# KiCad board Ethernet_switch_4out.kicad_pcb (continued)
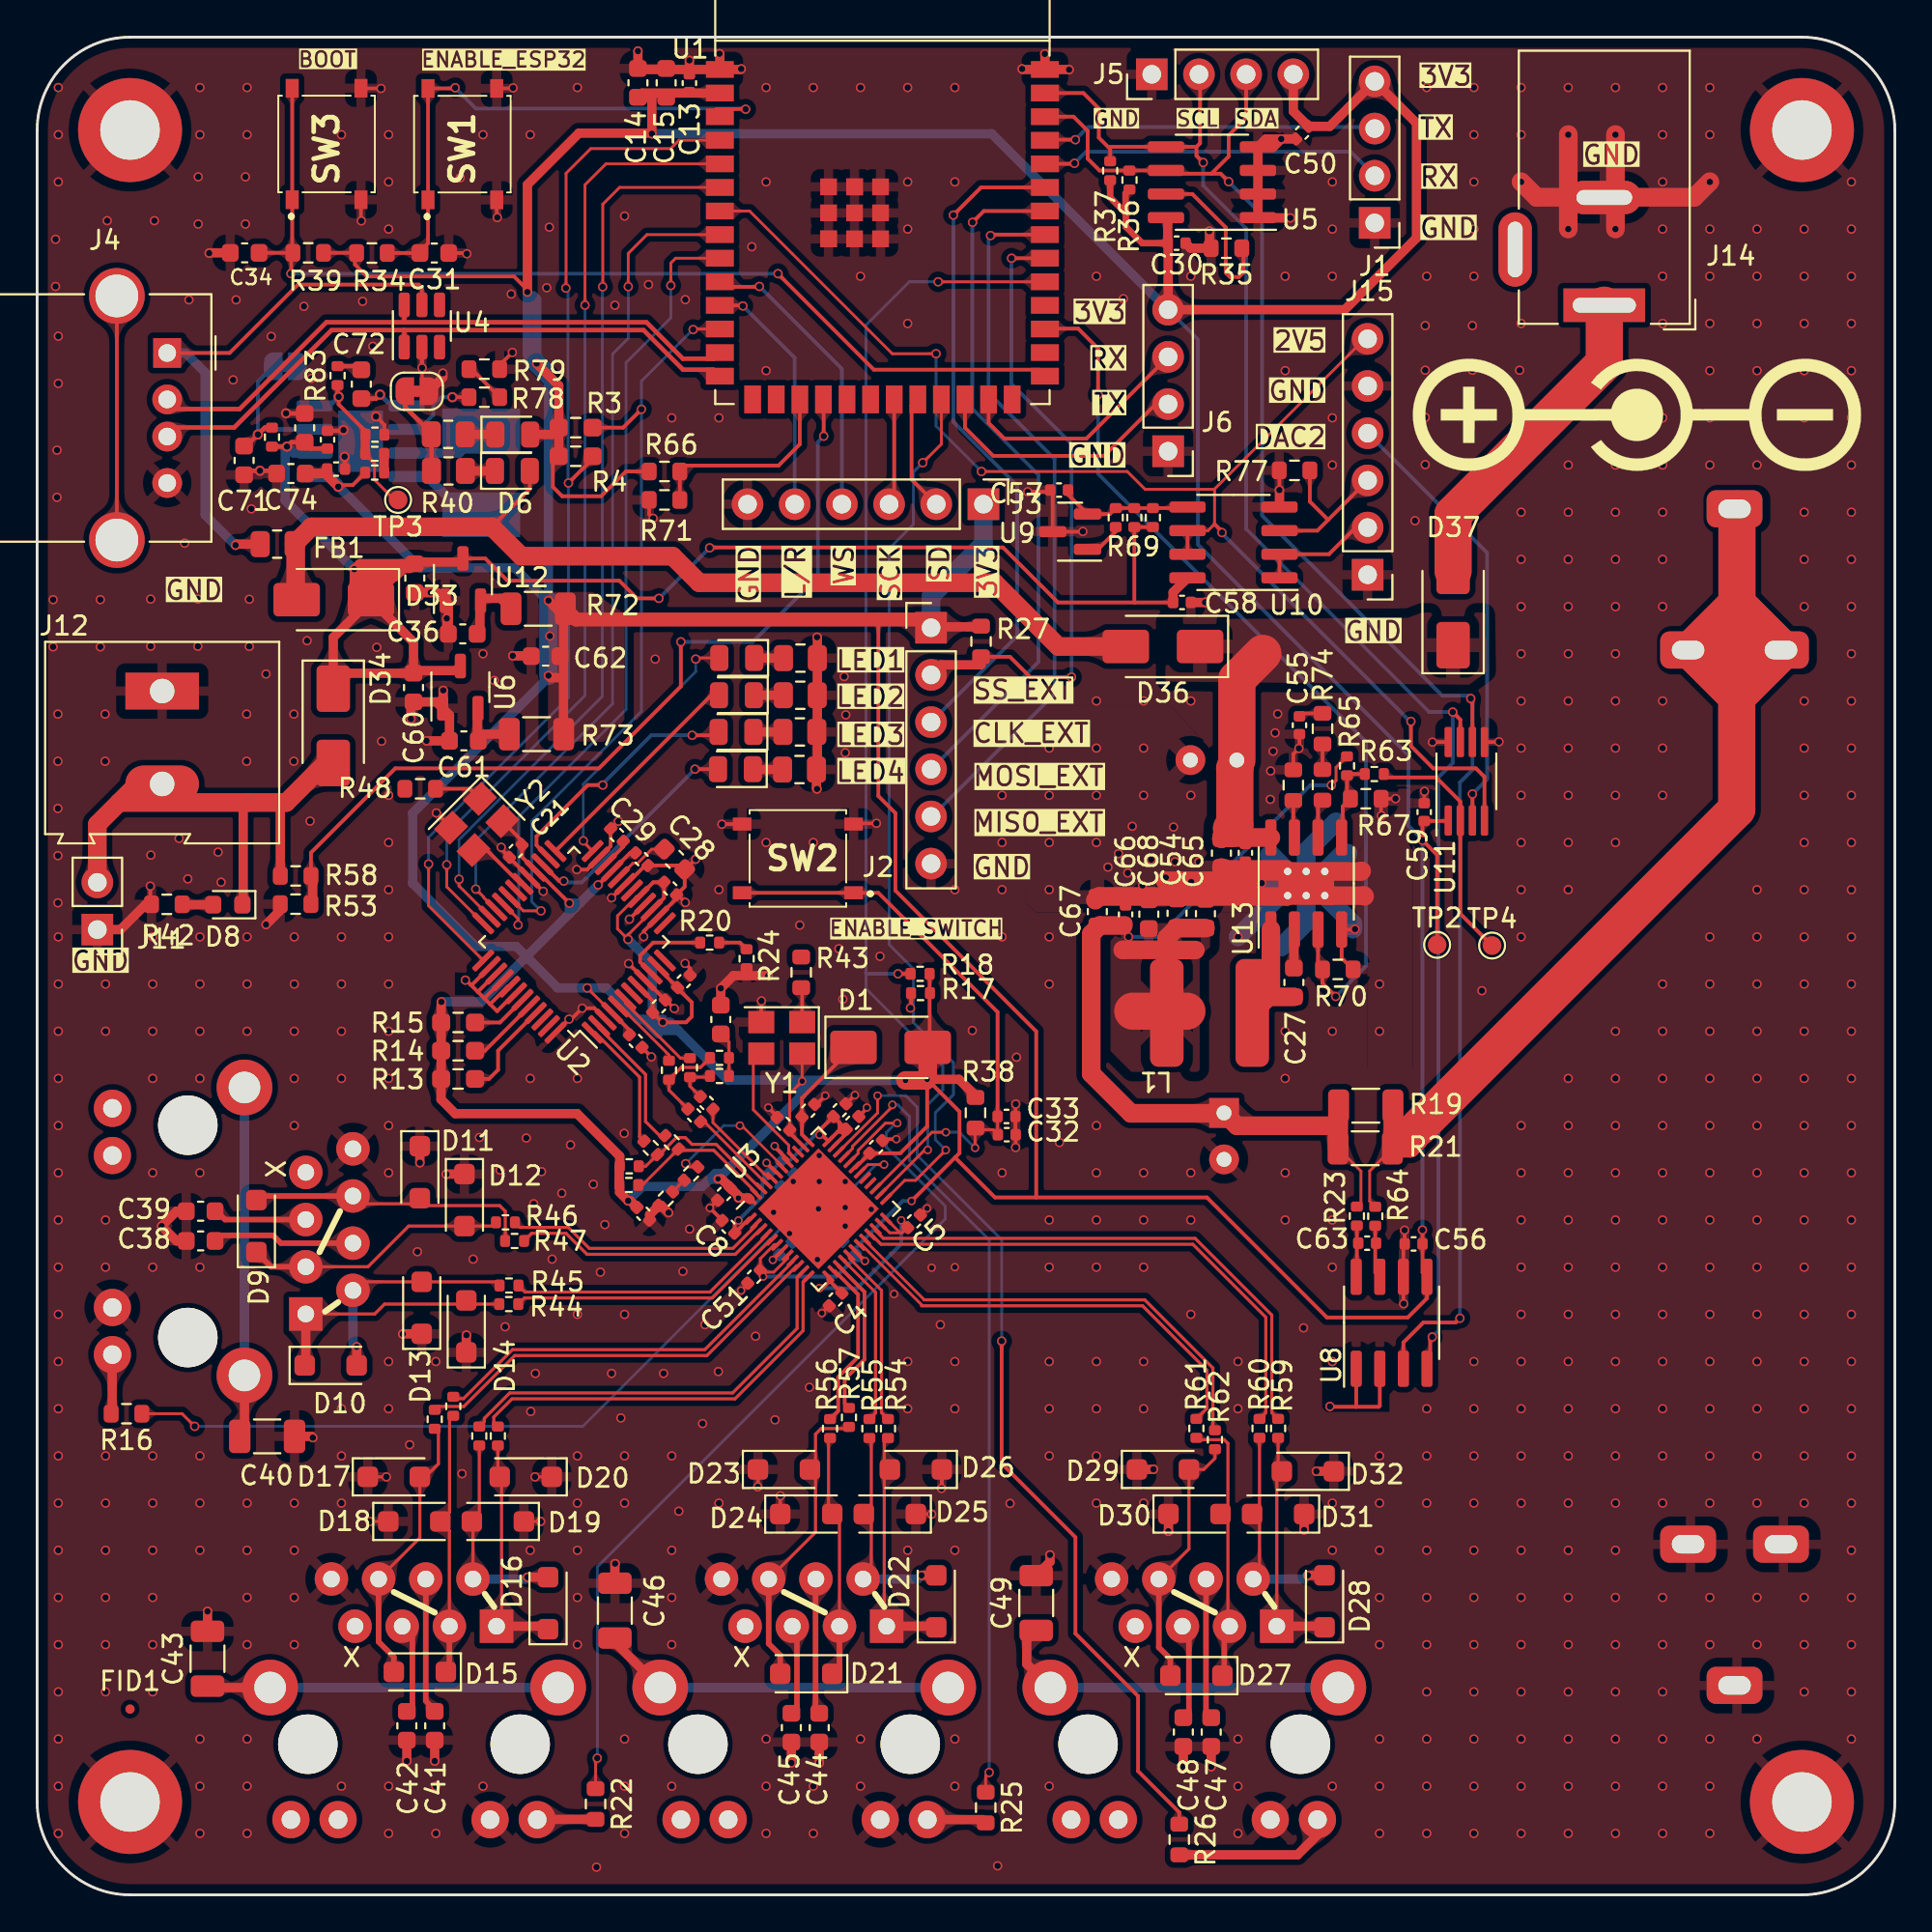
[diagram p0: board, top side]
## Footprints (pads in the part's own frame, mm; a bottom-side part is the same pattern mirrored in y, then rotated)
BarrelJack_Wuerth_6941xx301002
  rect 4.4x1.8 hole 3.4x0.8: 1(0,0)
  oval 4x1.8 hole 3x0.8: 2(0,-5.8)
  oval 1.8x4 hole 0.8x3: 3(4.8,-3)
C_0402_1005Metric
  rrect 0.56x0.62 smd: 1(-0.48,0) 2(0.48,0)
C_0603_1608Metric
  rrect 0.9x0.95 smd: 1(-0.775,0) 2(0.775,0)
C_1206_3216Metric
  rrect 1.15x1.8 smd: 1(-1.475,0) 2(1.475,0)
CP_Radial_D6.3mm_P2.50mm
  rect 1.6x1.6 hole 0.8: 1(0,0)
  round 1.6 hole 0.8: 2(2.5,0)
Crystal_SMD_3225-4Pin_3.2x2.5mm
  rect 1.4x1.2 smd: 1(-1.1,-0.85) 2(1.1,-0.85) 3(1.1,0.85) 4(-1.1,0.85)
D_SMA
  rrect 2.5x1.8 smd: 1(-2,0) 2(2,0)
D_SOD-123F
  rrect 1.1x1.1 smd: 1(-1.4,0) 2(1.4,0)
ESP32-S3-WROOM-1
  rect 1.5x0.9 smd: 1(-8.75,8.26) 2(-8.75,6.99) 3(-8.75,5.72) 4(-8.75,4.45) 5(-8.75,3.18) 6(-8.75,1.91) 7(-8.75,0.64) 8(-8.75,-0.63) 9(-8.75,-1.9) 10(-8.75,-3.17) 11(-8.75,-4.44) 12(-8.75,-5.71) 13(-8.75,-6.98) 14(-8.75,-8.25) 27(8.75,-8.25) 28(8.75,-6.98) 29(8.75,-5.71) 30(8.75,-4.44) 31(8.75,-3.17) 32(8.75,-1.9) 33(8.75,-0.63) 34(8.75,0.64) 35(8.75,1.91) 36(8.75,3.18) 37(8.75,4.45) 38(8.75,5.72) 39(8.75,6.99) 40(8.75,8.26)
  rect 0.9x1.5 smd: 15(-6.985,-9.5) 16(-5.715,-9.5) 17(-4.445,-9.5) 18(-3.175,-9.5) 19(-1.905,-9.5) 20(-0.635,-9.5) 21(0.635,-9.5) 22(1.905,-9.5) 23(3.175,-9.5) 24(4.445,-9.5) 25(5.715,-9.5) 26(6.985,-9.5)
  rect 0.9x0.9 smd: 41(-2.9,1.94) 41(-2.9,0.54) 41(-2.9,-0.86) 41(-2.9,-0.86) 41(-1.5,1.94) 41(-1.5,1.94) 41(-1.5,0.54) 41(-1.5,-0.86) 41(-0.1,1.94) 41(-0.1,0.54) 41(-0.1,-0.86)
Fiducial_0.5mm_Mask1mm
  round 0.5 smd: (0,0)
L_Taiyo-Yuden_NR-50xx_HandSoldering
  rect 2.4x4.2 smd: 1(-2.25,0) 2(2.25,0)
LED_0603_1608Metric
  rrect 0.875x0.95 smd: 1(-0.787,0) 2(0.787,0)
LED_0805_2012Metric
  rrect 0.975x1.4 smd: 1(-0.938,0) 2(0.938,0)
LQFP-48_7x7mm_P0.5mm
  rrect 1.475x0.3 smd: 1(-4.162,2.75) 2(-4.162,2.25) 3(-4.162,1.75) 4(-4.162,1.25) 5(-4.162,0.75) 6(-4.162,0.25) 7(-4.162,-0.25) 8(-4.162,-0.75) 9(-4.162,-1.25) 10(-4.162,-1.75) 11(-4.162,-2.25) 12(-4.162,-2.75) 25(4.162,-2.75) 26(4.162,-2.25) 27(4.162,-1.75) 28(4.162,-1.25) 29(4.162,-0.75) 30(4.162,-0.25) 31(4.162,0.25) 32(4.162,0.75) 33(4.162,1.25) 34(4.162,1.75) 35(4.162,2.25) 36(4.162,2.75)
  rrect 0.3x1.475 smd: 13(-2.75,-4.162) 14(-2.25,-4.162) 15(-1.75,-4.162) 16(-1.25,-4.162) 17(-0.75,-4.162) 18(-0.25,-4.162) 19(0.25,-4.162) 20(0.75,-4.162) 21(1.25,-4.162) 22(1.75,-4.162) 23(2.25,-4.162) 24(2.75,-4.162) 37(2.75,4.162) 38(2.25,4.162) 39(1.75,4.162) 40(1.25,4.162) 41(0.75,4.162) 42(0.25,4.162) 43(-0.25,4.162) 44(-0.75,4.162) 45(-1.25,4.162) 46(-1.75,4.162) 47(-2.25,4.162) 48(-2.75,4.162)
MountingHole_3.2mm_M3_DIN965_Pad_TopBottom
  round 3.6 hole 3.2: 1(0,0)
  round 5.6 smd: 1(0,0)
  round 5.6 smd far side: 1(0,0)
MSOP-8_3x3mm_P0.65mm
  rrect 1.625x0.4 smd: 1(-2.112,0.975) 2(-2.112,0.325) 3(-2.112,-0.325) 4(-2.112,-0.975) 5(2.112,-0.975) 6(2.112,-0.325) 7(2.112,0.325) 8(2.112,0.975)
MYOUNG MY-18650-01
  rrect 2x3 hole 1x1.75: 1(-7.6,2.5) 1(0,0) 1(0,5) 2(48.133,0) 2(48.133,5) 2(55.733,2.5)
PinHeader_1x02_P2.54mm_Vertical
  rect 1.7x1.7 hole 1: 1(0,0)
  oval 1.7x1.7 hole 1: 2(0,-2.54)
PinHeader_1x04_P2.54mm_Vertical
  rect 1.7x1.7 hole 1: 1(0,0)
  oval 1.7x1.7 hole 1: 2(0,-2.54) 3(0,-5.08) 4(0,-7.62)
PinHeader_1x06_P2.54mm_Vertical
  rect 1.7x1.7 hole 1: 1(0,0)
  oval 1.7x1.7 hole 1: 2(0,-2.54) 3(0,-5.08) 4(0,-7.62) 5(0,-10.16) 6(0,-12.7)
PTS526SK15SMTR2LFS
  rect 1x0.7 smd: 1(-3,1.85) 1(3,1.85) 2(-3,-1.85) 2(3,-1.85)
QFN-48-1EP_6x6mm_P0.4mm_EP4.6x4.6mm
  rrect 1.24x1.24 smd: (-1.53,1.53) (-1.53,-1.53) (-1.53,0) (0,1.53) (0,0) (0,-1.53) (1.53,0) (1.53,1.53) (1.53,-1.53)
  rrect 0.8x0.2 smd: 1(-2.95,2.2) 2(-2.95,1.8) 3(-2.95,1.4) 4(-2.95,1) 5(-2.95,0.6) 6(-2.95,0.2) 7(-2.95,-0.2) 8(-2.95,-0.6) 9(-2.95,-1) 10(-2.95,-1.4) 11(-2.95,-1.8) 12(-2.95,-2.2) 25(2.95,-2.2) 26(2.95,-1.8) 27(2.95,-1.4) 28(2.95,-1) 29(2.95,-0.6) 30(2.95,-0.2) 31(2.95,0.2) 32(2.95,0.6) 33(2.95,1) 34(2.95,1.4) 35(2.95,1.8) 36(2.95,2.2)
  rrect 0.2x0.8 smd: 13(-2.2,-2.95) 14(-1.8,-2.95) 15(-1.4,-2.95) 16(-1,-2.95) 17(-0.6,-2.95) 18(-0.2,-2.95) 19(0.2,-2.95) 20(0.6,-2.95) 21(1,-2.95) 22(1.4,-2.95) 23(1.8,-2.95) 24(2.2,-2.95) 37(2.2,2.95) 38(1.8,2.95) 39(1.4,2.95) 40(1,2.95) 41(0.6,2.95) 42(0.2,2.95) 43(-0.2,2.95) 44(-0.6,2.95) 45(-1,2.95) 46(-1.4,2.95) 47(-1.8,2.95) 48(-2.2,2.95)
  rect 4.6x4.6 smd: 49(0,0)
R_0402_1005Metric
  rrect 0.54x0.64 smd: 1(-0.51,0) 2(0.51,0)
R_0603_1608Metric
  rrect 0.8x0.95 smd: 1(-0.825,0) 2(0.825,0)
R_0603_1608Metric_Pad0.98x0.95mm_HandSolder
  rrect 0.975x0.95 smd: 1(-0.912,0) 2(0.912,0)
R_0805_2012Metric
  rrect 1.025x1.4 smd: 1(-0.912,0) 2(0.912,0)
R_1206_3216Metric
  rrect 1.125x1.75 smd: 1(-1.462,0) 2(1.462,0)
RJ45_Abracon_ARJM11B1
  round 3.2 hole 3.2 unplated: (0,-8.89) (11.43,-8.89)
  rect 1.8x1.8 hole 0.9: 1(1.27,-2.54)
  round 1.8 hole 0.9: 2(2.54,0) 3(3.81,-2.54) 4(5.08,0) 5(6.35,-2.54) 6(7.62,0) 7(8.89,-2.54) 8(10.16,0)
  round 2 hole 1: 9(-0.92,-12.95) 10(1.62,-12.95) 11(9.8,-12.95) 12(12.34,-12.95)
  round 3 hole 1.7: 15(-2.04,-5.84) 15(13.46,-5.84)
SOIC-8-1EP_3.9x4.9mm_P1.27mm_EP2.29x3mm_ThermalVias
  rrect 0.96x1.25 smd: (-0.57,0.75) (-0.57,-0.75) (0.57,0.75) (0.57,-0.75)
  rrect 1.95x0.6 smd: 1(-2.475,1.905) 2(-2.475,0.635) 3(-2.475,-0.635) 4(-2.475,-1.905) 5(2.475,-1.905) 6(2.475,-0.635) 7(2.475,0.635) 8(2.475,1.905)
  round 0.6 hole 0.4: 9(-0.65,1) 9(-0.65,0) 9(-0.65,-1) 9(0.65,1) 9(0.65,0) 9(0.65,-1)
  rect 1.8x2.5 smd far side: 9(0,0)
  rect 2.29x3 smd: 9(0,0)
SOIC-8-1EP_3.9x4.9mm_P1.27mm_EP2.41x3.3mm
  rrect 0.97x1.33 smd: (-0.6,-0.825) (-0.6,0.825) (0.6,-0.825) (0.6,0.825)
  rrect 1.95x0.6 smd: 1(-2.475,1.905) 2(-2.475,0.635) 3(-2.475,-0.635) 4(-2.475,-1.905) 5(2.475,-1.905) 6(2.475,-0.635) 7(2.475,0.635) 8(2.475,1.905)
  rect 2.41x3.3 smd: 9(0,0)
SOIC-8_3.9x4.9mm_P1.27mm
  rrect 1.95x0.6 smd: 1(-2.475,1.905) 2(-2.475,0.635) 3(-2.475,-0.635) 4(-2.475,-1.905) 5(2.475,-1.905) 6(2.475,-0.635) 7(2.475,0.635) 8(2.475,1.905)
SolderJumper-2_P1.3mm_Bridged_RoundedPad1.0x1.5mm
  custom 1x1.5 smd: 1(-0.65,0) 2(0.65,0)
SOT-23
  rrect 1.475x0.6 smd: 1(-0.938,0.95) 2(-0.938,-0.95) 3(0.938,0)
SOT-23-3
  rrect 1.325x0.6 smd: 1(-1.137,0.95) 2(-1.137,-0.95) 3(1.137,0)
SOT-23-6
  rrect 1.325x0.6 smd: 1(-1.137,0.95) 2(-1.137,0) 3(-1.137,-0.95) 4(1.137,-0.95) 5(1.137,0) 6(1.137,0.95)
SWPA6045S330MT
  rrect 1.8x5.8 smd: 1(-2.3,0) 2(2.3,0)
TerminalBlock_Altech_AK300-2_P5.00mm
  rect 1.98x3.96 hole 1.32: 1(0,0)
  oval 1.98x3.96 hole 1.32: 2(5,0)
TestPoint_Pad_D1.0mm
  round 1 smd: 1(0,0)
USB_A_Molex_67643_Horizontal
  rect 1.6x1.5 hole 0.95: 1(0,0)
  round 1.6 hole 0.95: 2(2.5,0) 3(4.5,0) 4(7,0)
  round 3 hole 2.3: 5(-3.07,-2.71) 5(10.07,-2.71)

## Nets
1V2: C1.2 C2.2 C3.2 C4.2 C5.2 C6.2 C7.2 C8.2 U3.1 U3.7 U3.13 U3.23 U3.24 U3.35 U3.36 U3.41 U3.43
+3V3: C9.2 C10.2 C11.2 C12.2 C13.2 C14.1 C15.1 C17.2 C18.2 C19.2 C20.2 C21.2 C22.2 C25.2 C30.2 C50.2 C51.2 C56.2 C59.2 C62.1 C73.2 C74.1 D1.2 D7.2 J1.4 J2.1 J3.1 J5.4 J6.4 R1.2 R2.2 R3.1 R4.1 R13.2 R14.2 R15.2 R17.1 R18.1 R27.1 R34.1 R36.1 R37.1 R38.2 R39.2 R66.1 R72.1 R73.1 R81.2 TP2.1 U1.2 U2.4 U2.8 U2.11 U2.15 U2.17 U2.21 U2.28 U3.6 U3.8 U3.18 U3.31 U3.38 U3.48 U5.8 U7.5 U8.5 U11.1 Y1.4 Y2.4
+5V: D6.2 D33.2 D36.2 FB1.1
/2V5_RAW: C57.2 R32.2 R68.1 R69.2 U9.2 U10.5
/Cell/Vin_buck: C52.2 C53.1 C64.1 D36.1 D37.1 U13.8
GND: C1.1 C2.1 C3.1 C4.1 C5.1 C6.1 C7.1 C8.1 C9.1 C10.1 C11.1 C12.1 C13.1 C14.2 C15.2 C16.1 C17.1 C18.1 C19.1 C20.1 C21.1 C22.1 C25.1 C26.1 C28.1 C29.1 C30.1 C31.1 C32.1 C33.1 C34.2 C35.2 C36.2 C37.1 C38.1 C39.1 C40.2 C41.1 C42.1 C43.2 C44.1 C45.1 C46.2 C47.1 C48.1 C49.2 C50.1 C51.1 C52.1 C53.2 C54.2 C55.2 C56.1 C57.1 C58.1 C59.1 C60.2 C61.2 C62.2 C64.2 C65.2 C66.1 C67.2 C68.2 C69.2 C70.2 C71.2 C73.1 C74.2 D11.1 D12.1 D13.1 D14.1 D17.1 D18.1 D19.1 D20.1 D23.1 D24.1 D25.1 D26.1 D29.1 D30.1 D31.1 D32.1 H1.1 H2.1 H3.1 H4.1 J1.1 J2.6 J3.6 J4.4 J5.1 J6.1 J7.8 J7.10 J8.8 J8.10 J9.8 J9.10 J10.8 J10.10 J11.1 J12.1 J13.2 J14.2 J15.1 J15.5 JP1.1 JP2.1 R11.1 R24.1 R28.2 R29.2 R30.2 R31.2 R35.2 R42.1 R53.2 R67.2 R70.2 R71.2 R76.2 R77.2 R79.2 R80.1 SW1.2 SW2.2 SW3.2 U1.1 U1.40 U1.41 U2.3 U2.9 U2.14 U2.16 U2.19 U2.23 U2.29 U2.38 U2.39 U2.40 U2.41 U2.42 U2.48 U3.49 U4.2 U5.1 U5.2 U5.3 U5.4 U6.1 U7.9 U8.1 U8.2 U8.6 U9.3 U10.4 U11.5 U11.8 U12.1 U13.4 U13.9 Y1.2 Y2.2
VBUS: FB1.2 J4.1 U4.5
+BATT: D8.1 D34.2 J11.2 J12.2 R58.1
+VDC: C35.1 C37.2 C58.2 C60.1 C70.1 D33.1 D34.1 R33.2 R68.2 R69.1 U6.3 U7.6 U10.8 U12.3
/Cell/boot: C27.2 U13.2
/Cell/BUCK_EN: R70.1 U1.29 U13.3
/Cell/Buck_out: C54.1 C65.1 C66.2 C67.1 C68.1 C69.1 L1.2 R19.1 R21.1 R23.1 R65.2
/Cell/DAC1: R63.1 TP4.1 U11.2
/Cell/DAC2: J15.4 U11.3
/Cell/FB: R63.2 R65.1 R67.1 U13.5
/Cell/Rlim: R76.1 U13.7
/Cell/SW: C27.1 L1.1 U13.1
/Cell_V: R53.1 R58.2 U1.18
/ESP_BOOT: C34.1 R39.1 SW3.1 U1.27
/ESP_EN: C31.2 R34.2 SW1.1 U1.3
/green_LED1: R16.1 U3.30
/green_LED2: R22.1 U3.32
/green_LED3: R25.1 U3.33
/green_LED4: R26.1 U3.34
/L/R: J3.5 U1.11
/MISO: U1.8 U2.34
/MOSI: U1.6 U2.35
/Output_port1/GREEN: J8.9 R22.2
/Output_port1/L_RD+: D15.1 D18.2 J8.3 R51.2
/Output_port1/L_RD-: D15.2 D17.2 J8.6 R52.2
/Output_port1/L_TD+: D16.1 D20.2 J8.1 R49.2
/Output_port1/L_TD-: D16.2 D19.2 J8.2 R50.2
/Output_port1/RD+: R51.1 U3.9
/Output_port1/RD-: R52.1 U3.10
/Output_port1/TD+: R49.1 U3.12
/Output_port1/TD-: R50.1 U3.11
/Output_port1/YELLOW: J8.11
/Output_port2/GREEN: J9.9 R25.2
/Output_port2/L_RD+: D21.1 D24.2 J9.3 R56.2
/Output_port2/L_RD-: D21.2 D23.2 J9.6 R57.2
/Output_port2/L_TD+: D22.1 D26.2 J9.1 R54.2
/Output_port2/L_TD-: D22.2 D25.2 J9.2 R55.2
/Output_port2/RD+: R56.1 U3.14
/Output_port2/RD-: R57.1 U3.15
/Output_port2/TD+: R54.1 U3.17
/Output_port2/TD-: R55.1 U3.16
/Output_port2/YELLOW: J9.11
/Output_port3/GREEN: J10.9 R26.2
/Output_port3/L_RD+: D27.1 D30.2 J10.3 R61.2
/Output_port3/L_RD-: D27.2 D29.2 J10.6 R62.2
/Output_port3/L_TD+: D28.1 D32.2 J10.1 R59.2
/Output_port3/L_TD-: D28.2 D31.2 J10.2 R60.2
/Output_port3/RD+: R61.1 U3.19
/Output_port3/RD-: R62.1 U3.20
/Output_port3/TD+: R59.1 U3.22
/Output_port3/TD-: R60.1 U3.21
/Output_port3/YELLOW: J10.11
/Output_port/GREEN: J7.9 R16.2
/Output_port/L_RD+: D9.1 D12.2 J7.3 R46.2
/Output_port/L_RD-: D9.2 D11.2 J7.6 R47.2
/Output_port/L_TD+: D10.1 D14.2 J7.1 R44.2
/Output_port/L_TD-: D10.2 D13.2 J7.2 R45.2
/Output_port/RD+: R46.1 U3.2
/Output_port/RD-: R47.1 U3.3
/Output_port/TD+: R44.1 U3.5
/Output_port/TD-: R45.1 U3.4
/Output_port/YELLOW: J7.11
/power/EN: C71.1 JP2.2 R33.1 U7.7
/power/FB: R80.2 R82.1 R83.1 TP3.1 U7.8
/Rail_V: R66.2 R71.1 U1.17
/SCK : J3.3 U1.21
/SCLK: U1.9 U2.33
/SD: J3.2 U1.22
/SWITCH_EN: C32.2 C33.2 R38.1 SW2.1 U3.27
/W5500_LED1: D5.2 U2.24
/W5500_LED2: D4.2 U2.25
/W5500_LED3: D3.2 U2.26
/W5500_LED4: D2.2 U2.27
/WS: J3.4 U1.10
/~{INT}: U1.5 U2.36
/~{RST}: R4.2 U1.4 U2.37
/~{SCS}: R3.2 U1.12 U2.32
CLK_EXT: J2.3 U1.35
D+: J4.3 U1.14 U4.1
D-: J4.2 U1.13 U4.6
MISO_EXT: J2.5 U1.33
MOSI_EXT: J2.4 U1.34
REF_2v5: J15.6 U1.7 U10.6 U10.7 U11.4
RX: J6.3 U1.25
SCL: J5.2 R37.2 U1.39 U5.5 U8.4 U11.7
SCL/MDC: R17.2 U1.23 U3.25
SDA: J5.3 R36.2 U1.38 U5.6 U8.3 U11.6
SDA/MDIO: R18.2 U1.31 U3.26
SS_EXT: J2.2 R27.2 U1.32
TX: J6.2 U1.24
Net-(C23-Pad1): C23.1 R5.1 R10.2
Net-(C24-Pad1): C24.1 R6.1 R9.2
Net-(C26-Pad2): C26.2 R9.1 R10.1
Net-(C55-Pad1): C55.1 R74.2
Net-(C72-Pad1): C72.1 R83.2
Net-(D1-K): C16.2 D1.1 U3.37
Net-(D2-K): D2.1 R28.1
Net-(D3-K): D3.1 R29.1
Net-(D4-K): D4.1 R30.1
Net-(D5-K): D5.1 R31.1
Net-(D6-K): D6.1 R40.1
Net-(D7-K): D7.1 R41.1
Net-(D8-A): D8.2 R42.2
Net-(D37-A): D37.2 J14.1
Net-(J1-Pin_2): J1.2 U1.36
Net-(J1-Pin_3): J1.3 U1.37
Net-(J7-RCT): C39.2 J7.5
Net-(J7-SHIELD): C40.1 J7.15
Net-(J7-TCT): C38.2 J7.4
Net-(J8-RCT): C42.2 J8.5
Net-(J8-SHIELD): C43.1 J8.15
Net-(J8-TCT): C41.2 J8.4
Net-(J9-RCT): C45.2 J9.5
Net-(J9-SHIELD): C46.1 J9.15
Net-(J9-TCT): C44.2 J9.4
Net-(J10-RCT): C48.2 J10.5
Net-(J10-SHIELD): C49.1 J10.15
Net-(J10-TCT): C47.2 J10.4
Net-(J13-Pin_1): J13.1 R19.2 R21.2 R64.1
Net-(J15-Pin_2): J15.2 U10.1 U10.2
Net-(J15-Pin_3): J15.3 R77.1 U10.3
Net-(JP1-B): JP1.2 R40.2 R41.2
Net-(R11-Pad2): R11.2 R12.1
Net-(R20-Pad1): R20.1 R24.2
Net-(R43-Pad2): R43.2 Y1.1
Net-(R48-Pad2): R48.2 Y2.1
Net-(R74-Pad1): R74.1 R75.2
Net-(R78-Pad2): R78.2 R79.1
Net-(R81-Pad1): R81.1 R82.2
Net-(U2-1V2O): C29.2 U2.22
Net-(U2-EXRES1): R20.2 U2.10
Net-(U2-PMODE0): R13.1 U2.45
Net-(U2-PMODE1): R14.1 U2.44
Net-(U2-PMODE2): R15.1 U2.43
Net-(U2-RXN): R6.2 U2.5
Net-(U2-RXP): R5.2 U2.6
Net-(U2-TOCAP): C28.2 U2.20
Net-(U2-TXN): R7.2 U2.1
Net-(U2-TXP): R8.2 U2.2
Net-(U2-XI/CLKIN): U2.30 Y2.3
Net-(U3-IBREF): R12.2 U3.42
Net-(U3-RXIN0): C24.2 U3.45
Net-(U3-RXIP0): C23.2 U3.44
Net-(U3-TXIN0): R1.1 R7.1 U3.46
Net-(U3-TXIP0): R2.1 R8.1 U3.47
Net-(U3-XI): U3.40 Y1.3
Net-(U5-WP): R35.1 U5.7
Net-(U6-VO): C61.1 R73.2 U6.2
Net-(U7-Rt): R78.1 U7.2
Net-(U7-SW1): L2.1 U7.3
Net-(U7-SW2): L2.2 U7.4
Net-(U7-Vc): C72.2 U7.1
Net-(U8-IN+): C63.1 R23.2 U8.8
Net-(U8-IN-): C63.2 R64.2 U8.7
Net-(U9-REF): R32.1 U9.1
Net-(U12-VO): C36.1 R72.2 U12.2
Net-(U13-COMP): R75.1 U13.6

Pads without a net: J4 5; J7 7 12; J8 7 12; J9 7 12; J10 7 12; J14 3; R43 1; R48 1; U1 15 16 19 20 26 28 30; U2 7 12 13 18 31 46 47; U3 28 29 39; U4 3 4

## Via types
v1: diameter 0.5, hole 0.35, Top to Bottom, 827 vias
v2: diameter 0.45, hole 0.3, Top to Bottom, 47 vias
v3: diameter 0.55, hole 0.35, Top to Bottom, 12 vias

## Routing (per net, layer and track width the routed paths; a pad name or vN(x,y) marks a point on that pad's centre or on a via; arc(x,y) is an arc through that point)
1V2: length 37.6
  Top w0.15: U3.23 45.89,35.64 46.56,35.64 ; C6.2 42.87,41.9 C3.2 ; U3.24 45.7,36.39 46.45,35.64 46.56,35.64 ; 46.56,35.64 46.86,35.94 ; 43.19,41.08 43.1,41.08
  Top w0.2: C5.2 46.86,35.96 v2(46.51,36.31) ; U3.35 43.47,40.89 43.28,41.08 43.19,41.08 43.41,41.08 C3.2 ; U3.41 40.4,39.57 39.7,40.27 v2(39.7,40.31) ; U3.7 39.6,34.19 v2(39.6,34.18) ; 42.66,33.04 42.28,32.66 v2(42.11,32.66) ; 42.66,33.04 C4.2 ; 42.66,33.04 42.59,33.12 U3.13 ; U3.1 38.33,36.4 C8.2 37.55,36.1 v2(37.75,36.3) ; v2(39.26,39.4) 39.79,38.87 U3.43 ; v2(42.11,40.91) 42.11,41.15 C6.2 43.19,41.57 43.19,41.17 U3.36 42.25,40.91 v2(42.11,40.91)
  In2.Cu w0.2: v2(37.75,36.3) 37.75,36.2 39.6,34.35 v2(39.6,34.18) 41.09,32.69 42.08,32.69 v2(42.11,32.66)
  Bottom w0.2: v2(39.26,39.4) 39.54,39.13 39.54,38.99 C7.2 ; v2(42.11,32.66) 43.2,32.66 43.21,32.65 44.13,32.65 46.51,35.03 v2(46.51,36.31) ; C7.2 39.38,38.81 C2.2 ; C7.2 39.04,38.49 39.04,37.59 v2(37.75,36.3) ; C2.2 40.48,39.49 41.9,40.91 v2(42.11,40.91) ; C2.2 40.06,39.95 v2(39.7,40.31)
+3V3: length 533.9
  Top w0.15: C11.2 40.51,43.13 v2(41.18,43.8) Y1.4 ; U2.4 30.96,47.47 v1(29.61,48.82) ; 39.72,34.99 39.67,34.99 38.93,34.25 C51.2 39.02,33.52 39.65,33.52 40.4,34.27 U3.8 ; v1(31.81,51.43) 31.24,52 31.24,52.7 32.25,53.71 ; 31.81,51.68 33.08,52.95
  Top w0.2: v2(47.91,43.9) 47.91,41.37 46.46,39.92 C10.2 44.06,39.16 U3.31 ; v2(47.91,43.9) 49.65,42.16 49.65,39.93 49.41,39.69 ; v2(47.91,43.9) 47.94,43.93 ; U11.1 75.94,57.81 C59.2 74.57,57.71 v1(74.57,56.77) 75.36,55.98 TP2.1 ; C18.2 31.92,56.09 U2.21 v1(30.2,54.36) ; v1(28.65,53.38) 26.9,55.13 U2.28 26.1,55.87 C21.2 26.1,56.74 Y2.4 ; R81.2 17.66,76.56 16.99,75.89 16.3,75.89 v3(16.21,75.8) ; R4.1 27.76,77.12 27.76,75.79 28.26,75.29 30.36,75.29 31.69,76.62 R66.1 ; 32.25,53.71 U2.17 33.17,54.51 C17.2 33.74,53.67 U2.15 33.08,52.95 ; 53.78,37.54 51.56,37.54 49.41,39.69 ; 53.78,37.54 53.78,46.48 46.2,54.06 46.2,58.23 45.28,59.15 45.28,68.65 ; 53.78,37.54 62.97,37.54 69.43,31.08 73.78,31.08 74.81,32.11 U8.5 74.58,33.51 C56.2 74.58,35.78 v1(74.57,35.79) ; U3.6 39.72,34.99 ; v1(31.81,51.43) 31.81,51.68 ; U2.4 31.88,46.55 C19.2 ; 31.33,38.22 R2.2 31.34,37.83 ; 21.75,48.06 v1(21.76,48.07) ; C11.2 40.51,41.02 U3.38 ; 49.41,39.69 v2(47.07,37.35) ; v2(39.08,33.28) 39.08,33.46 C51.2 ; v1(26.39,86.28) 26.39,86.4 25.67,87.12 17.75,87.12 17.11,87.76 17.11,88.38 17.1,88.39 15.5,88.39 ; R18.1 48.04,45.72 D1.2 ; v2(44.56,34.12) 44,34.68 U3.18 ; U2.11 33.43,49.88 C22.2 34.47,48.81 35.24,48.04 35.24,47.28 34.93,46.97 v1(33.68,46.97) 33.65,46.97 C20.2 33.13,48.13 U2.8
  Top w0.35: 58.53,90.59 58.6,90.53 58.6,89.8 59.49,88.91 C30.2 ; 58.53,90.59 58.59,90.65 58.59,91.59 R36.1 ; 58.53,90.59 57.76,91.37 R37.1
  Top w0.5: R3.1 28.08,81.24 v1(26.89,82.43) ; R3.1 R4.1 ; R3.1 27.71,78.61 D7.2 ; v1(26.39,86.28) 26.39,92.06 29.17,94.84 33.06,94.84 v1(33.09,94.8) 33.09,96.77 C14.1 32.56,96.99 U1.2 ; J2.1 48.17,68.26 50.78,68.26 R27.1 ; 31.34,37.83 v1(31.81,37.36) 31.93,37.36 C25.2 ; v2(36.65,38.54) 36.84,38.54 C12.2 37.75,37.63 v2(37.75,37.51) 38.3,37.51 38.38,37.43 ; J5.4 67.62,96.01 C50.2 69.58,95.2 J1.4 74.25,95.37 74.25,89.19 70.39,85.33 J6.4 60.88,88.89 C30.2 60.86,90.19 U5.8 ; 31.33,38.22 31.33,39.19 R1.2 31.36,39.76 29.07,42.05 22.51,42.05 21.74,42.82 21.74,43.91 R13.2 R15.2 21.75,48.06 ; 28.33,65.52 28.33,62.49 R73.1 ; 28.33,65.52 27.63,65.52 v1(27.52,65.63) ; 28.33,65.52 28.33,69.13 R72.1 27.96,69.23 v1(27.52,69.67) ; v2(47.91,43.9) 49.62,43.9 50.51,43.01 ; 15.37,76.51 C74.1 15.5,76.51 v3(16.21,75.8) 15.61,76.4 C73.2 15.37,76.51
  Top w0.75: J2.1 47.68,68.65 29.01,68.65 R72.1
  Top w1: v2(47.91,43.9) 47.85,43.84 v2(46.74,43.84) ; 47.94,43.93 D1.2
  In2.Cu w0.5: v2(37.75,37.51) 37.75,37.55 40.47,37.55 43.9,34.12 v2(44.56,34.12)
  Bottom w0.2: C9.2 44.05,34.81 46.59,37.35 v2(47.07,37.35) ; C9.2 44.43,34.12 v2(44.56,34.12) ; C9.2 44.18,34.5 v2(44.56,34.12) ; 28.93,53.1 28.93,53.1 v1(28.65,53.38) ; J6.4 62.49,83.72 62.49,72.67 73.82,61.34 73.82,57.55 74.57,56.8 v1(74.57,56.77) v1(74.57,35.79) ; v2(39.08,33.28) 43.01,33.28 43.89,34.16 44.52,34.16 v2(44.56,34.12)
  Bottom w0.5: 26.39,83.27 v1(26.39,86.28) ; 26.39,83.27 26.47,83.27 27.6,82.14 ; 26.39,83.27 26.39,82.93 v1(26.89,82.43) ; v1(26.89,82.43) 26.89,85.9 26.71,86.08 ; v1(26.89,82.43) 27.52,81.8 27.52,81.53 ; v2(41.18,43.8) 41.22,43.84 41.91,43.84 ; v2(41.18,43.8) 41.12,43.86 40.41,43.86 ; v2(41.18,43.8) 41.18,43.07 ; 27.52,81.53 27.43,81.53 26.37,82.59 ; 27.52,81.53 v1(27.52,69.67) 27.47,69.67 25.71,71.43 20.61,71.43 16.24,75.8 v3(16.21,75.8) 16.21,75.96 15.83,76.34 U7.5 ; v1(27.52,65.63) 27.52,65.54 20.21,58.23 20.21,54.45 23.61,51.05 25.79,51.05 26.44,50.4 ; 36.19,38.52 36.51,38.84 36.95,38.84 ; 36.19,38.52 36.63,38.52 v2(36.65,38.54) 36.95,38.84 ; 36.19,38.52 35.8,38.13 32.58,38.13 v1(31.81,37.36) ; 33.12,47.12 33.68,47.12 ; 33.12,47.12 33.12,50.12 v1(31.81,51.43) ; 33.12,47.12 33.7,46.54 34.5,46.54 ; 33.12,47.12 32.34,47.12 ; 33.68,47.12 v1(33.68,46.97) 34.07,46.97 34.5,46.54 ; 33.68,47.12 34.26,46.54 34.5,46.54 ; 34.5,46.54 37.18,43.86 40.41,43.86 ; 32.34,47.12 30.64,48.82 v1(29.61,48.82) 28.02,48.82 26.44,50.4 ; 32.34,47.12 32.66,47.12 33.44,46.34 ; 40.41,43.86 41.18,43.09 ; 36.95,38.84 41.18,43.07 ; 26.23,50.4 23.91,48.08 21.77,48.08 v1(21.76,48.07) ; 26.23,50.4 26.44,50.4 ; 26.23,50.4 28.64,52.81 ; 41.18,43.07 41.18,43.09 ; 29.22,53.38 28.65,53.38 v1(28.65,53.38) 28.64,53.37 28.64,52.81 ; 29.22,53.38 v1(30.2,54.36) ; 29.22,53.38 28.64,52.81 ; 41.18,43.09 41.18,43.11 41.91,43.84 ; 41.91,43.84 47.85,43.84 v2(47.91,43.9) ; v1(33.09,94.8) 51.39,94.8 60.86,85.33 J6.4